# Altium PCB FMC_DAC_125M_14B_16CHA.PcbDoc (part 2 of 9)
Units mm, origin at the board's own origin, x right, y up, seen from the top; angles counter-clockwise.
Board outline 77.15 x 69 mm, 8 copper layers (L1, P2, L3, P4, L5, P6, L7, L8), stack 1.438 mm thick; 612 components, 516 nets, 2304 pads, 1339 vias.
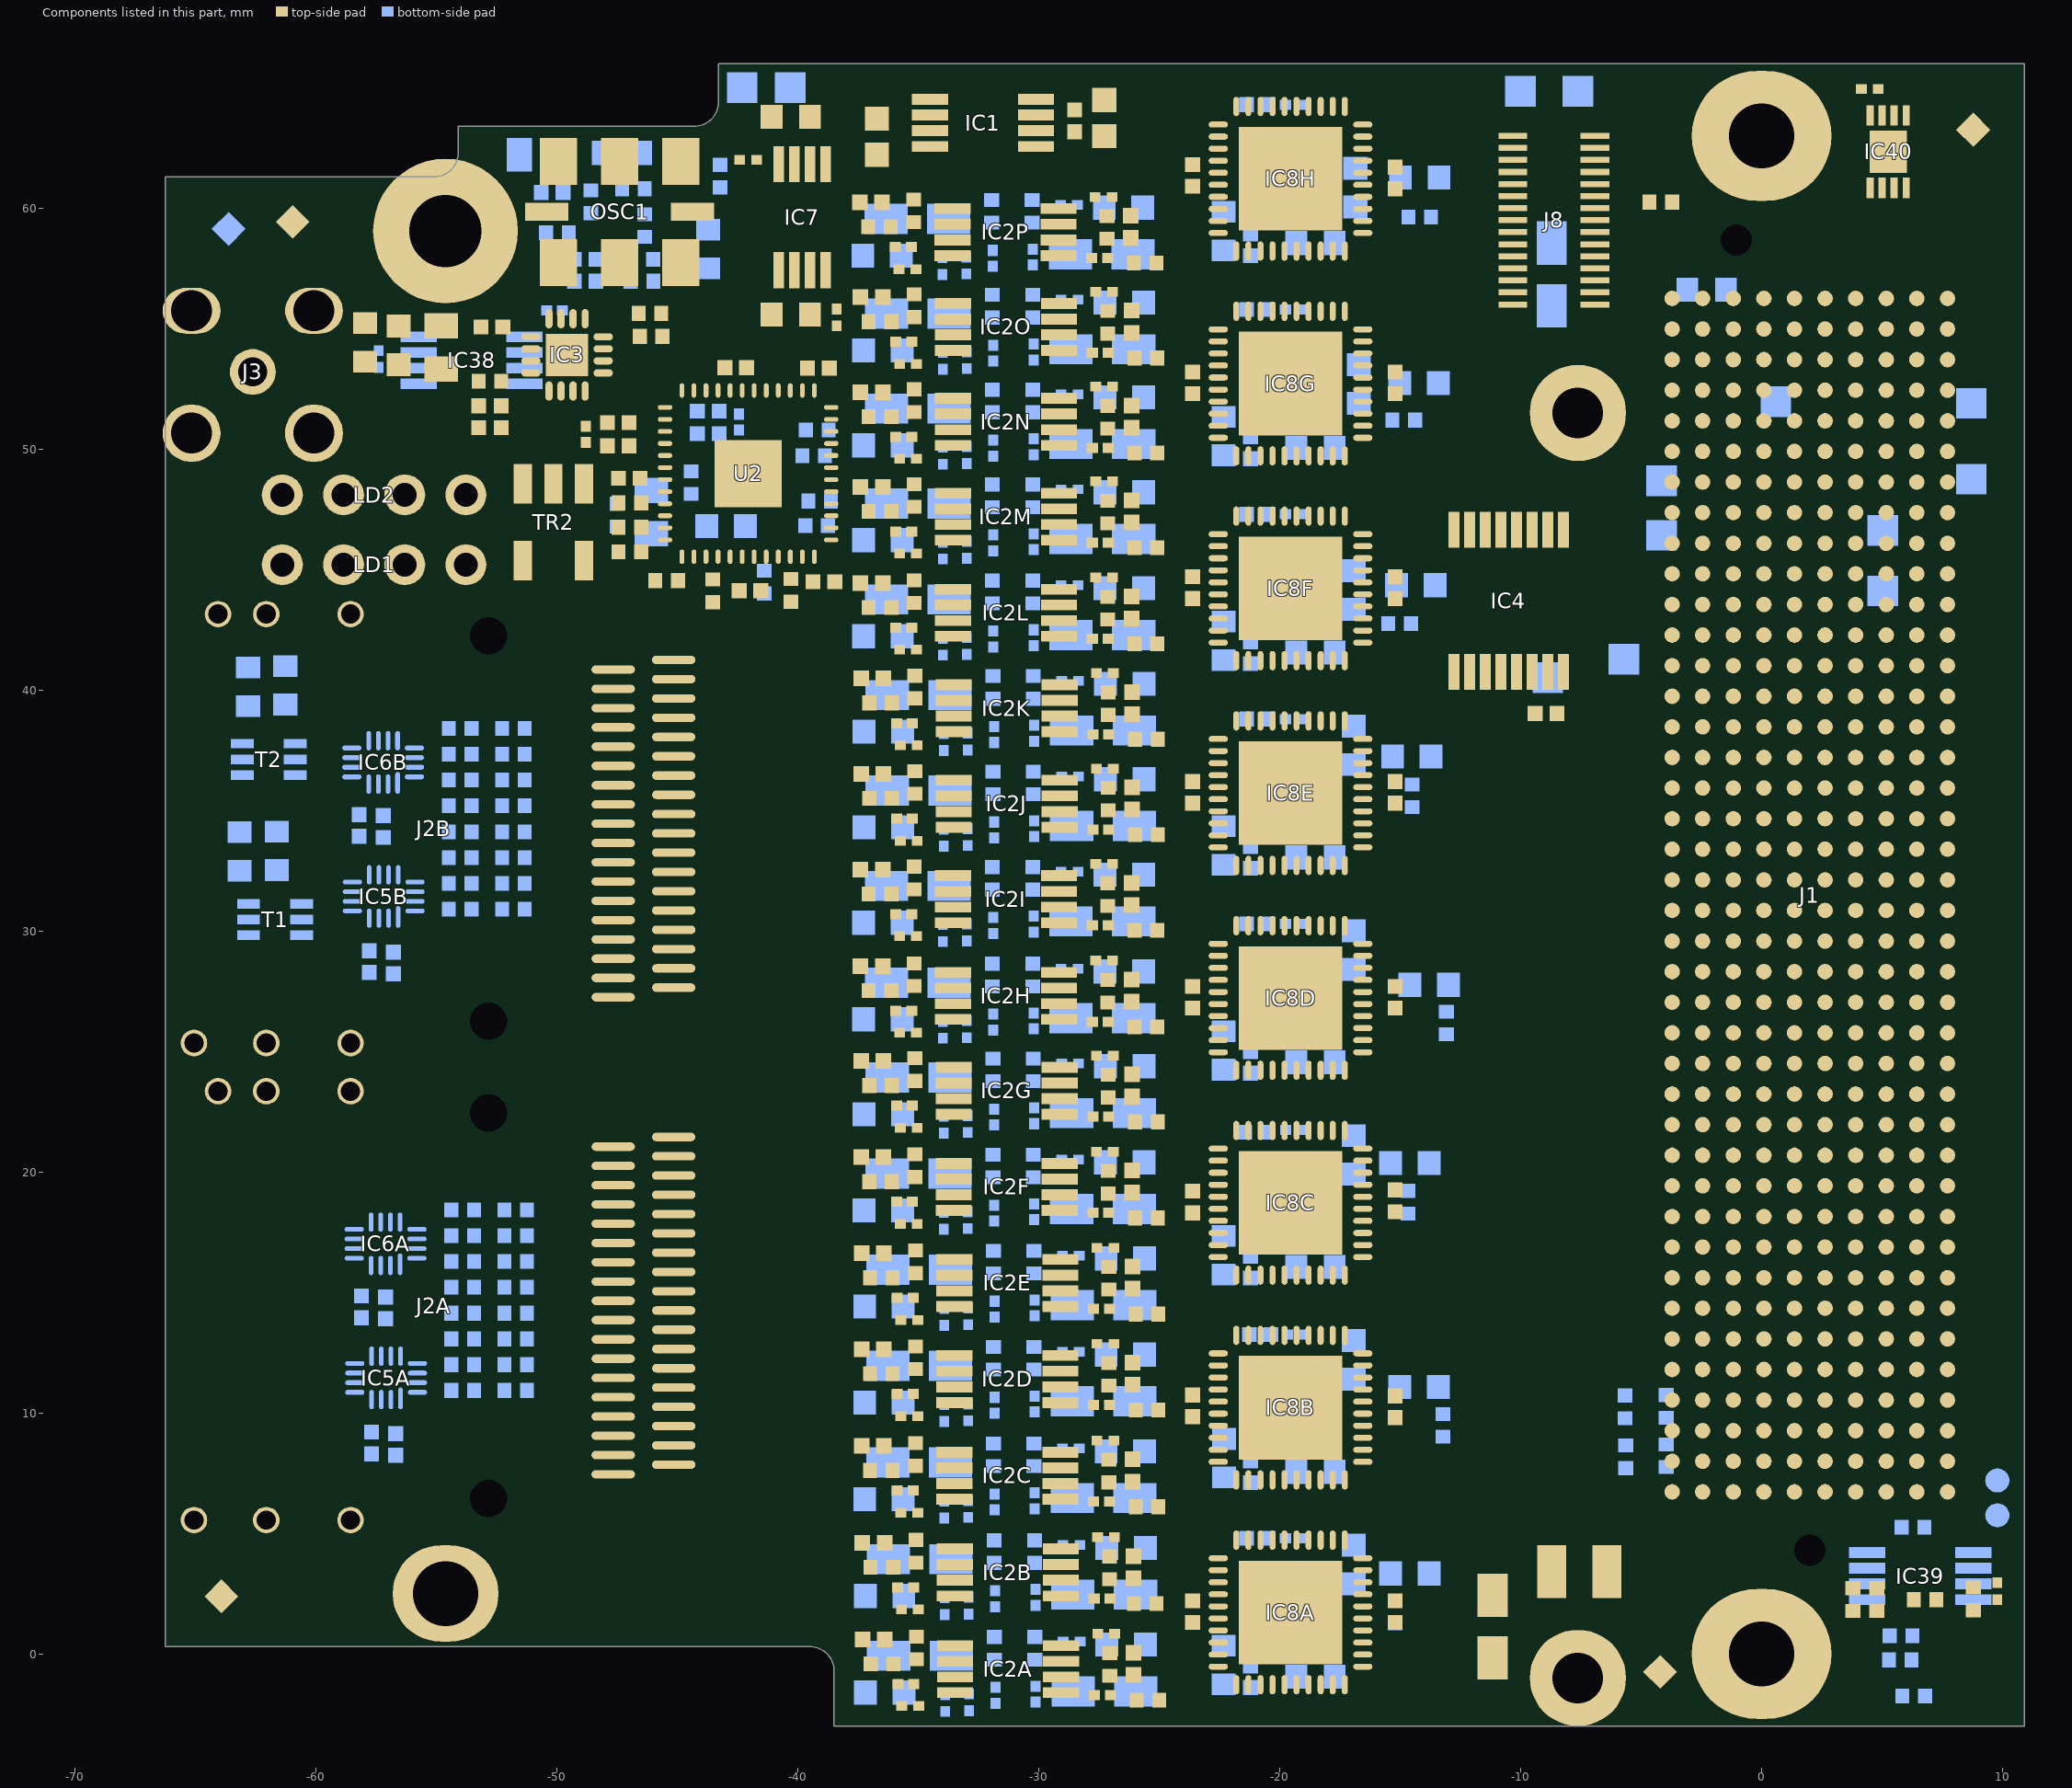
[diagram p8: the components of this part, seen from the top]

## Components (designator, comment, footprint, x,y, rotation, side; value= is the part's Value field where it differs from the comment) (continued)
R11H "49R9" RESC0603X28N -19.432,64.297 r180 bottom (schematic designator R11)
R12 "0" RESC1608X55N -2.28,56.619 r180 bottom
R14 "100" RESC0603X28N -42.45,51.125 r270 bottom
R15 "100" RESC0603X28N -48.8,50.617 r270 top
R16 "10k" RESC1005X40N -46.829,60.806 r0 bottom
R17 "470" RESC1005X40N -46.971,47.772 r0 top
R18 "49R9" RESC1005X40N -44.431,48.61 r90 bottom
R19 "0" RESC1005X40N -46.971,46.756 r0 top
R20 "49R9" RESC1005X40N -39.199,50.795 r180 bottom
R21 "100" RESC0603X28N -50.102,55.757 r0 bottom
R22 "0" RESC1005X40N -46.971,45.74 r0 top
R23 "49R9" RESC1005X40N -39.347,49.725 r180 bottom
R24 "10k" RESC1005X40N -47.505,47.264 r90 bottom
R25 "0" RESC1005X40N -45.447,44.546 r0 top
R26 "49R9" RESC1005X40N -39.097,47.848 r180 bottom
R27 "49R9" RESC1005X40N -39.221,46.822 r180 bottom
R28 "470" RESC1005X40N -46.137,55.634 r180 top
R29 "49R9" RESC1005X40N -40.291,44.14 r270 top
R30 "10k" RESC1005X40N -46.092,54.681 r0 top
R31 "49R9" RESC1005X40N -41.4,44.484 r270 bottom
R32 "49R9" RESC1005X40N -43.537,44.122 r270 top
R33 "49R9" RESC1005X40N -52.78,52.817 r180 top
R34A "51R1" RESC1005X35N -36.506,-0.412 r0 top (schematic designator R34)
R34B "51R1" RESC1005X35N -36.516,3.602 r0 top (schematic designator R34)
R34C "51R1" RESC1005X35N -36.542,7.615 r0 top (schematic designator R34)
R34D "51R1" RESC1005X35N -36.542,11.628 r0 top (schematic designator R34)
R34E "51R1" RESC1005X35N -36.542,15.616 r0 top (schematic designator R34)
R34F "51R1" RESC1005X35N -36.567,19.604 r0 top (schematic designator R34)
R34G "51R1" RESC1005X35N -36.567,23.591 r0 top (schematic designator R34)
R34H "51R1" RESC1005X35N -36.592,27.528 r0 top (schematic designator R34)
R34I "51R1" RESC1005X35N -36.592,31.542 r0 top (schematic designator R34)
R34J "51R1" RESC1005X35N -36.567,35.504 r0 top (schematic designator R34)
R34K "51R1" RESC1005X35N -36.567,39.466 r0 top (schematic designator R34)
R34L "51R1" RESC1005X35N -36.592,43.429 r0 top (schematic designator R34)
R34M "51R1" RESC1005X35N -36.592,47.417 r0 top (schematic designator R34)
R34N "51R1" RESC1005X35N -36.592,51.354 r0 top (schematic designator R34)
R34O "51R1" RESC1005X35N -36.592,55.291 r0 top (schematic designator R34)
R34P "51R1" RESC1005X35N -36.618,59.228 r0 top (schematic designator R34)
R35A "249" RESC1005X35N -35.084,0.249 r90 top (schematic designator R35)
R35B "249" RESC1005X35N -35.094,4.262 r90 top (schematic designator R35)
R35C "249" RESC1005X35N -35.119,8.275 r90 top (schematic designator R35)
R35D "249" RESC1005X35N -35.119,12.289 r90 top (schematic designator R35)
R35E "249" RESC1005X35N -35.119,16.276 r90 top (schematic designator R35)
R35F "249" RESC1005X35N -35.145,20.264 r90 top (schematic designator R35)
R35G "249" RESC1005X35N -35.145,24.252 r90 top (schematic designator R35)
R35H "249" RESC1005X35N -35.17,28.189 r90 top (schematic designator R35)
R35I "249" RESC1005X35N -35.17,32.202 r90 top (schematic designator R35)
R35J "249" RESC1005X35N -35.145,36.164 r90 top (schematic designator R35)
R35K "249" RESC1005X35N -35.145,40.127 r90 top (schematic designator R35)
R35L "249" RESC1005X35N -35.17,44.089 r90 top (schematic designator R35)
R35M "249" RESC1005X35N -35.17,48.077 r90 top (schematic designator R35)
R35N "249" RESC1005X35N -35.17,52.014 r90 top (schematic designator R35)
R35O "249" RESC1005X35N -35.17,55.951 r90 top (schematic designator R35)
R35P "249" RESC1005X35N -35.195,59.888 r90 top (schematic designator R35)
R36A "10" RESC1005X40N -31.843,0.234 r90 bottom (schematic designator R36)
R36B "10" RESC1005X40N -31.853,4.247 r90 bottom (schematic designator R36)
R36C "10" RESC1005X40N -31.878,8.26 r90 bottom (schematic designator R36)
R36D "10" RESC1005X40N -31.878,12.274 r90 bottom (schematic designator R36)
R36E "10" RESC1005X40N -31.878,16.261 r90 bottom (schematic designator R36)
R36F "10" RESC1005X40N -31.904,20.249 r90 bottom (schematic designator R36)
R36G "10" RESC1005X40N -31.904,24.237 r90 bottom (schematic designator R36)
R36H "10" RESC1005X40N -31.929,28.174 r90 bottom (schematic designator R36)
R36I "10" RESC1005X40N -31.929,32.187 r90 bottom (schematic designator R36)
R36J "10" RESC1005X40N -31.904,36.149 r90 bottom (schematic designator R36)
R36K "10" RESC1005X40N -31.904,40.112 r90 bottom (schematic designator R36)
R36L "10" RESC1005X40N -31.929,44.074 r90 bottom (schematic designator R36)
R36M "10" RESC1005X40N -31.929,48.062 r90 bottom (schematic designator R36)
R36N "10" RESC1005X40N -31.929,51.999 r90 bottom (schematic designator R36)
R36O "10" RESC1005X40N -31.929,55.936 r90 bottom (schematic designator R36)
R36P "10" RESC1005X40N -31.954,59.873 r90 bottom (schematic designator R36)
R37A "51R1" RESC1005X35N -25.47,-1.919 r180 top (schematic designator R37)
R37B "51R1" RESC1005X35N -25.584,2.087 r180 top (schematic designator R37)
R37C "51R1" RESC1005X35N -25.505,6.108 r180 top (schematic designator R37)
R37D "51R1" RESC1005X35N -25.505,10.121 r180 top (schematic designator R37)
R37E "51R1" RESC1005X35N -25.505,14.109 r180 top (schematic designator R37)
R37F "51R1" RESC1005X35N -25.531,18.096 r180 top (schematic designator R37)
R37G "51R1" RESC1005X35N -25.531,22.084 r180 top (schematic designator R37)
R37H "51R1" RESC1005X35N -25.556,26.021 r180 top (schematic designator R37)
R37I "51R1" RESC1005X35N -25.556,30.034 r180 top (schematic designator R37)
R37J "51R1" RESC1005X35N -25.531,33.997 r180 top (schematic designator R37)
R37K "51R1" RESC1005X35N -25.531,37.959 r180 top (schematic designator R37)
R37L "51R1" RESC1005X35N -25.556,41.921 r180 top (schematic designator R37)
R37M "51R1" RESC1005X35N -25.556,45.909 r180 top (schematic designator R37)
R37N "51R1" RESC1005X35N -25.556,49.846 r180 top (schematic designator R37)
R37O "51R1" RESC1005X35N -25.556,53.783 r180 top (schematic designator R37)
R37P "51R1" RESC1005X35N -25.581,57.72 r180 top (schematic designator R37)
R38A "249" RESC1005X35N -27.058,-0.437 r90 top (schematic designator R38)
R38B "249" RESC1005X35N -27.067,3.576 r90 top (schematic designator R38)
R38C "249" RESC1005X35N -27.093,7.59 r90 top (schematic designator R38)
R38D "249" RESC1005X35N -27.093,11.603 r90 top (schematic designator R38)
R38E "249" RESC1005X35N -27.093,15.591 r90 top (schematic designator R38)
R38F "249" RESC1005X35N -27.118,19.578 r90 top (schematic designator R38)
R38G "249" RESC1005X35N -27.118,23.566 r90 top (schematic designator R38)
R38H "249" RESC1005X35N -27.144,27.503 r90 top (schematic designator R38)
R38I "249" RESC1005X35N -27.144,31.516 r90 top (schematic designator R38)
R38J "249" RESC1005X35N -27.118,35.479 r90 top (schematic designator R38)
R38K "249" RESC1005X35N -27.118,39.441 r90 top (schematic designator R38)
R38L "249" RESC1005X35N -27.144,43.403 r90 top (schematic designator R38)
R38M "249" RESC1005X35N -27.144,47.391 r90 top (schematic designator R38)
R38N "249" RESC1005X35N -27.144,51.328 r90 top (schematic designator R38)
R38O "249" RESC1005X35N -27.144,55.265 r90 top (schematic designator R38)
R38P "249" RESC1005X35N -27.169,59.202 r90 top (schematic designator R38)
R39A "10" RESC1005X40N -30.166,0.234 r90 bottom (schematic designator R39)
R39B "10" RESC1005X40N -30.176,4.247 r90 bottom (schematic designator R39)
R39C "10" RESC1005X40N -30.201,8.26 r90 bottom (schematic designator R39)
R39D "10" RESC1005X40N -30.201,12.274 r90 bottom (schematic designator R39)
R39E "10" RESC1005X40N -30.201,16.261 r90 bottom (schematic designator R39)
R39F "10" RESC1005X40N -30.227,20.249 r90 bottom (schematic designator R39)
R39G "10" RESC1005X40N -30.227,24.237 r90 bottom (schematic designator R39)
R39H "10" RESC1005X40N -30.252,28.174 r90 bottom (schematic designator R39)
R39I "10" RESC1005X40N -30.252,32.187 r90 bottom (schematic designator R39)
R39J "10" RESC1005X40N -30.227,36.149 r90 bottom (schematic designator R39)
R39K "10" RESC1005X40N -30.227,40.112 r90 bottom (schematic designator R39)
R39L "10" RESC1005X40N -30.252,44.074 r90 bottom (schematic designator R39)
R39M "10" RESC1005X40N -30.252,48.062 r90 bottom (schematic designator R39)
R39N "10" RESC1005X40N -30.252,51.999 r90 bottom (schematic designator R39)
R39O "10" RESC1005X40N -30.252,55.936 r90 bottom (schematic designator R39)
R39P "10" RESC1005X40N -30.278,59.873 r90 bottom (schematic designator R39)
R40A "49R9" RESC1005X40N -53.915,10.934 r180 bottom (schematic designator R40)
R40B "49R9" RESC1005X40N -54.015,30.913 r180 bottom (schematic designator R40)
R41A "49R9" RESC1005X40N -53.915,12.003 r180 bottom (schematic designator R41)
R41B "49R9" RESC1005X40N -54.015,31.982 r180 bottom (schematic designator R41)
R42A "49R9" RESC1005X40N -53.915,13.071 r180 bottom (schematic designator R42)
R42B "49R9" RESC1005X40N -54.015,33.051 r180 bottom (schematic designator R42)
R43A "49R9" RESC1005X40N -53.915,14.14 r180 bottom (schematic designator R43)
R43B "49R9" RESC1005X40N -54.015,34.119 r180 bottom (schematic designator R43)
R44A "49R9" RESC1005X40N -53.915,15.221 r180 bottom (schematic designator R44)
R44B "49R9" RESC1005X40N -54.015,35.2 r180 bottom (schematic designator R44)
R45A "49R9" RESC1005X40N -53.915,16.289 r180 bottom (schematic designator R45)
R45B "49R9" RESC1005X40N -54.015,36.269 r180 bottom (schematic designator R45)
R46A "49R9" RESC1005X40N -53.915,17.358 r180 bottom (schematic designator R46)
R46B "49R9" RESC1005X40N -54.015,37.337 r180 bottom (schematic designator R46)
R47A "49R9" RESC1005X40N -53.915,18.427 r180 bottom (schematic designator R47)
R47B "49R9" RESC1005X40N -54.015,38.406 r180 bottom (schematic designator R47)
R48A "2k2" RESC1005X40N -51.71,10.934 r0 bottom (schematic designator R48)
R48B "2k2" RESC1005X40N -51.81,30.913 r0 bottom (schematic designator R48)
R49A "2k2" RESC1005X40N -51.71,12.003 r0 bottom (schematic designator R49)
R49B "2k2" RESC1005X40N -51.81,31.982 r0 bottom (schematic designator R49)
R50 "110" RESC1608X55N -40.291,63.797 r180 top
R51 "110" RESC1608X55N -40.291,55.588 r180 top
R52 "220" RESC1608X55N -62.821,40.139 r270 bottom
R53 "220" RESC1608X55N -61.271,40.203 r270 bottom
R54 "0" RESC1005X40N -5.643,8.18 r270 bottom
R55 "0" RESC1005X40N -5.668,10.256 r90 bottom
R56 "0" RESC1005X40N -3.964,10.274 r90 bottom
R57 "0" RESC1005X40N -3.964,8.224 r270 bottom
R58 "220" RESC1608X55N -63.176,33.307 r270 bottom
R59 "220" RESC1608X55N -61.627,33.332 r270 bottom
R60A "2k2" RESC1005X40N -51.71,13.071 r0 bottom (schematic designator R60)
R60B "2k2" RESC1005X40N -51.81,33.051 r0 bottom (schematic designator R60)
R61A "2k2" RESC1005X40N -51.71,14.14 r0 bottom (schematic designator R61)
R61B "2k2" RESC1005X40N -51.81,34.119 r0 bottom (schematic designator R61)
R62A "2k2" RESC1005X40N -51.71,15.221 r0 bottom (schematic designator R62)
R62B "2k2" RESC1005X40N -51.81,35.2 r0 bottom (schematic designator R62)
R63A "2k2" RESC1005X40N -51.71,16.289 r0 bottom (schematic designator R63)
R63B "2k2" RESC1005X40N -51.81,36.269 r0 bottom (schematic designator R63)
R64A "2k2" RESC1005X40N -51.71,17.358 r0 bottom (schematic designator R64)
R64B "2k2" RESC1005X40N -51.81,37.337 r0 bottom (schematic designator R64)
R65A "2k2" RESC1005X40N -51.71,18.427 r0 bottom (schematic designator R65)
R65B "2k2" RESC1005X40N -51.81,38.406 r0 bottom (schematic designator R65)
R66A "41R2" RESC0603X28N -35.516,-1.25 r180 top (schematic designator R66)
R66B "41R2" RESC0603X28N -35.526,2.764 r180 top (schematic designator R66)
R66C "41R2" RESC0603X28N -35.551,6.777 r180 top (schematic designator R66)
R66D "41R2" RESC0603X28N -35.551,10.79 r180 top (schematic designator R66)
R66E "41R2" RESC0603X28N -35.551,14.778 r180 top (schematic designator R66)
R66F "41R2" RESC0603X28N -35.576,18.765 r180 top (schematic designator R66)
R66G "41R2" RESC0603X28N -35.576,22.753 r180 top (schematic designator R66)
R66H "41R2" RESC0603X28N -35.602,26.69 r180 top (schematic designator R66)
R66I "41R2" RESC0603X28N -35.602,30.703 r180 top (schematic designator R66)
R66J "41R2" RESC0603X28N -35.576,34.666 r180 top (schematic designator R66)
R66K "41R2" RESC0603X28N -35.576,38.628 r180 top (schematic designator R66)
R66L "41R2" RESC0603X28N -35.602,42.591 r180 top (schematic designator R66)
R66M "41R2" RESC0603X28N -35.602,46.578 r180 top (schematic designator R66)
R66N "41R2" RESC0603X28N -35.602,50.515 r180 top (schematic designator R66)
R66O "41R2" RESC0603X28N -35.602,54.453 r180 top (schematic designator R66)
R66P "41R2" RESC0603X28N -35.627,58.39 r180 top (schematic designator R66)
R67A "41R2" RESC0603X28N -27.363,-1.707 r180 top (schematic designator R67)
R67B "41R2" RESC0603X28N -27.372,2.306 r180 top (schematic designator R67)
R67C "41R2" RESC0603X28N -27.398,6.319 r180 top (schematic designator R67)
R67D "41R2" RESC0603X28N -27.398,10.333 r180 top (schematic designator R67)
R67E "41R2" RESC0603X28N -27.398,14.32 r180 top (schematic designator R67)
R67F "41R2" RESC0603X28N -27.423,18.308 r180 top (schematic designator R67)
R67G "41R2" RESC0603X28N -27.423,22.296 r180 top (schematic designator R67)
R67H "41R2" RESC0603X28N -27.449,26.233 r180 top (schematic designator R67)
R67I "41R2" RESC0603X28N -27.449,30.246 r180 top (schematic designator R67)
R67J "41R2" RESC0603X28N -27.423,34.208 r180 top (schematic designator R67)
R67K "41R2" RESC0603X28N -27.423,38.171 r180 top (schematic designator R67)
R67L "41R2" RESC0603X28N -27.449,42.133 r180 top (schematic designator R67)
R67M "41R2" RESC0603X28N -27.449,46.121 r180 top (schematic designator R67)
R67N "41R2" RESC0603X28N -27.449,50.058 r180 top (schematic designator R67)
R67O "41R2" RESC0603X28N -27.449,53.995 r180 top (schematic designator R67)
R67P "41R2" RESC0603X28N -27.474,57.932 r180 top (schematic designator R67)
R68A "0" RESC1005X40N -15.215,1.733 r90 bottom (schematic designator R68)
R68B "0" RESC1005X40N -13.222,9.487 r90 bottom (schematic designator R68)
R68C "0" RESC1005X40N -14.672,18.746 r90 bottom (schematic designator R68)
R68D "0" RESC1005X40N -13.082,26.188 r90 bottom (schematic designator R68)
R68E "0" RESC1005X40N -14.509,35.613 r90 bottom (schematic designator R68)
R68F "0" RESC1005X40N -15.022,42.766 r180 bottom (schematic designator R68)
R68G "0" RESC1005X40N -14.853,51.209 r180 bottom (schematic designator R68)
R68H "0" RESC1005X40N -14.19,59.634 r0 bottom (schematic designator R68)
R69 "0" RESC1005X40N -46.478,57.874 r180 bottom
R70 "Undefined" RESC1608X55N -43.72,58.302 r270 bottom
R71 "Undefined" RESC1608X55N -57.968,54.435 r270 top
R105 "10k" RESC1005X40N 6.315,-1.744 r0 bottom
R111 "10k" RESC1005X40N 5.785,0.756 r0 bottom
R112 "10k" RESC1005X40N 5.755,-0.244 r0 bottom
R113 "0" RESC1005X40N 6.785,2.256 r0 top
R114 "0" RESC1005X40N 4.785,2.256 r270 top
R115 "10k" RESC1005X40N 8.785,2.286 r270 top
R116 "10k" RESC1005X40N 3.785,2.256 r90 top
R138 "10k" RESC1005X40N -4.185,60.256 r180 top
T1 "PMGD280UN" SOT65P210X110-6N -61.703,30.475 r180 bottom
T2 "PMGD280UN" SOT65P210X110-6N -61.957,37.13 r180 bottom
TP1 "I2C SW SDA" TPS127 -40.315,65.006 r180 bottom
TP2 "I2C SW SCL" TPS127 -42.315,65.006 r180 bottom
TP3 "Test Point" TPS127 0.594,51.972 r180 bottom
TP4 "Test Point" TPS127 5.029,44.113 r90 bottom
TP5 "Test Point" TPS127 5.029,46.626 r90 bottom
TP6 "Test Point" TPS127 -8.872,40.52 r90 bottom
TP7 "Test Point" TPS127 -4.147,48.689 r90 bottom
TP8 "Test Point" TPS127 -4.147,46.422 r90 bottom
TP9 "Test Point" TPS127 8.702,51.904 r90 bottom
TP10 "Test Point" TPS127 -5.711,41.278 r0 bottom
TP11 "Test Point" TPS127 8.702,48.756 r0 bottom
TP43 "Test Point" TPS127 -7.625,64.849 r180 bottom
TP44 "Test Point" TPS127 -10.012,64.849 r90 bottom
TR2 "1:1" XFMR_MINI-CIRCUITS_AT224-1 -50.146,46.97 r0 top
U2 "ADCLK854BCPZ" ADI-CP-48-6_L -42.065,48.986 r0 top

## Footprints (in the part's own frame and the unit in brackets; to place one, negate y for a bottom-side part, rotate by r counter-clockwise, add the part's x,y. Pads: shape width x height; smd on the part's side, far side on the other; paste and mask are expansions set on the pad)
9774030633#1 [mm] "SMT Steel Spacer with internal Thread M1.6, height 3mm"
  round 4 / inner rect 0x0 / far side rect 0x0 hole 2.1: 1(0,0)
  body extent -1.65,-1.65 1.65,1.65, height 3
9774030633#2 [mm] "SMT Steel Spacer with internal Thread M1.6, height 3mm"
  round 4 / inner round 3 / far side round 3 hole 2.1: 1(0,0)
  body extent -1.65,-1.65 1.65,1.65, height 3
ADI-CP-48-6_L [mm] "QFN, 48-Leads, Body 7x7mm, Pitch 0.5mm, Thermal Pad 2.8x2.8mm, IPC High Density"
  oval 0.6x0.2 smd: 1(-3.45,2.75) 2(-3.45,2.25) 3(-3.45,1.75) 4(-3.45,1.25) 5(-3.45,0.75) 6(-3.45,0.25) 7(-3.45,-0.25) 8(-3.45,-0.75) 9(-3.45,-1.25) 10(-3.45,-1.75) 11(-3.45,-2.25) 12(-3.45,-2.75) 25(3.45,-2.75) 26(3.45,-2.25) 27(3.45,-1.75) 28(3.45,-1.25) 29(3.45,-0.75) 30(3.45,-0.25) 31(3.45,0.25) 32(3.45,0.75) 33(3.45,1.25) 34(3.45,1.75) 35(3.45,2.25) 36(3.45,2.75)
  oval 0.2x0.6 smd: 13(-2.75,-3.45) 14(-2.25,-3.45) 15(-1.75,-3.45) 16(-1.25,-3.45) 17(-0.75,-3.45) 18(-0.25,-3.45) 19(0.25,-3.45) 20(0.75,-3.45) 21(1.25,-3.45) 22(1.75,-3.45) 23(2.25,-3.45) 24(2.75,-3.45) 37(2.75,3.45) 38(2.25,3.45) 39(1.75,3.45) 40(1.25,3.45) 41(0.75,3.45) 42(0.25,3.45) 43(-0.25,3.45) 44(-0.75,3.45) 45(-1.25,3.45) 46(-1.75,3.45) 47(-2.25,3.45) 48(-2.75,3.45)
  rect 2.8x2.8 smd: 49(0,0)
  silkscreen extent -4.42,-3.65 3.65,3.65, body extent -3.5,-3.5 3.5,3.5, height 1
AMPHENOL_919-383J-51A [mm] "50 Ohm, RF Connector, MCX Right Angle PCB Receptacle Jack"
  round 1.9 hole 1.2: 1(0,0)
  round 2.4 hole 1.7: 2(-2.54,2.54) 2(2.54,2.54)
  oval 2.4x1.9 / inner round 2.4 / far side round 2.4 hole 1.7: 2(-2.54,-2.54) 2(2.54,-2.54)
  silkscreen extent -3,-3 6.5,3, body extent -3,-3 6.5,3, height 6
C100 [mm] "1mm Diameter SMD Pad"
  round 1 smd paste-1: 1(0,0)
CAPC0603X33N [mm] "Chip Capacitor, Body 0.6x0.30mm, IPC Medium Density"
  rect 0.45x0.4 smd: 1(-0.35,0) 2(0.35,0)
  body extent -0.31,-0.16 0.32,0.17, height 0.33
CAPC1005X55N [mm] "Capacitor, Non-Polarized, Chip; 1.00mm L X 0.50mm W X 0.70mm H, IPC Medium Density"
  rect 0.62x0.62 smd: 1(-0.45,0) 2(0.45,0)
  body extent -0.52,-0.27 0.53,0.28, height 0.55
CAPC1005X61N [mm] "Capacitor, Non-Polarized, Chip; 1.02mm L X 0.51mm W X 0.61mm H, IPC Medium Density"
  rect 0.65x0.65 smd: 1(-0.46,0) 2(0.46,0)
  body extent -0.56,-0.3 0.56,0.31, height 0.61
CAPC1608X80N [mm] "Chip Capacitor, Body 1.6x0.8mm IPC Medium Density"
  rect 1x1 smd: 1(-0.75,0) 2(0.75,0)